# Altium PCB ROBOT_MOTHERBOARD.PcbDoc (part 1 of 2) (continued)
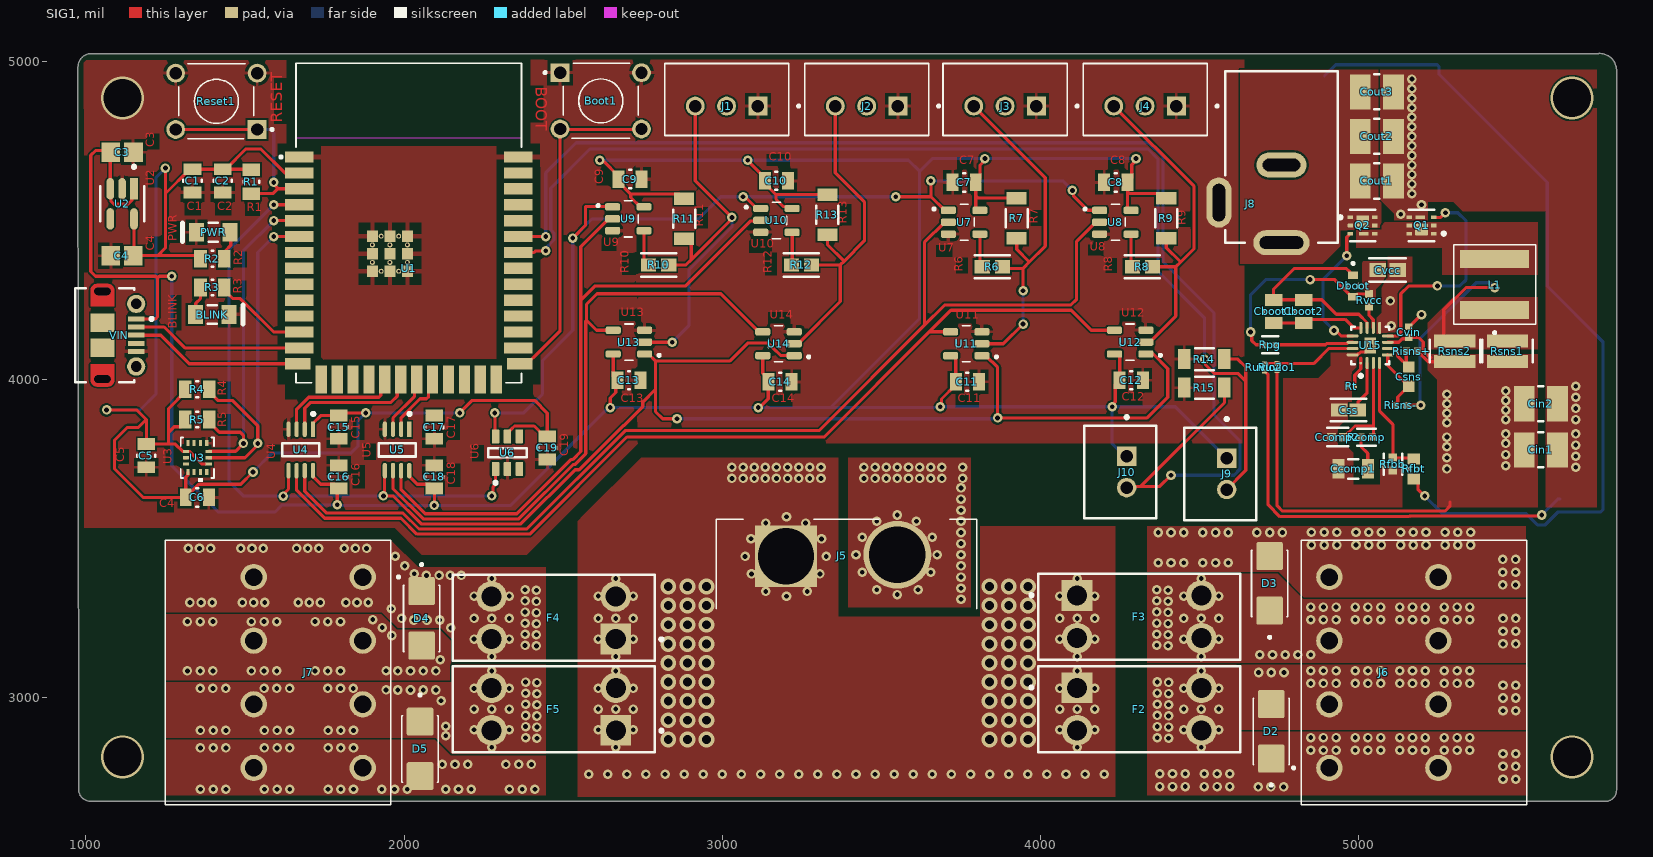
[diagram p0: SIG1 view]
## Footprints (in the part's own frame and the unit in brackets; to place one, negate y for a bottom-side part, rotate by r counter-clockwise, add the part's x,y. Pads: shape width x height; smd on the part's side, far side on the other; paste and mask are expansions set on the pad) (continued)
  SIG1 circle w0.5: c3.6,-1.8 r0.25
  SIG1 circle w0.5: c3.6,-0.9 r0.25
  SIG1 region: -3.6,-1.8 -3.6,-0.9 -4.1,-0.9 -4.1,-1.8
  SIG1 region: 3.6,-0.9 3.6,-1.8 4.1,-1.8 4.1,-0.9
  SIG1 region: 2.3,-0.4 2.3,-2.3 3.6,-2.3 3.6,-0.4
  SIG1 region: -2.3,-2.3 -2.3,-0.4 -3.6,-0.4 -3.6,-2.3
  silkscreen extent -3.75,-3.5 3.75,2.7, body extent -4.1,-3.9 4.1,1.5, height 2.67
XCVR_ESP32-S3-WROOM-1-N4R2 [mm]
  rect 2.261x0.9 smd: 1(-8.488,4.83) 2(-8.488,3.56) 3(-8.488,2.29) 4(-8.488,1.02) 5(-8.488,-0.25) 6(-8.488,-1.52) 7(-8.488,-2.79) 8(-8.488,-4.06) 9(-8.488,-5.33) 10(-8.488,-6.6) 11(-8.488,-7.87) 12(-8.488,-9.14) 13(-8.488,-10.41) 28(9.012,-10.41) 29(9.012,-9.14) 30(9.012,-7.87) 31(9.012,-6.6) 32(9.012,-5.33) 33(9.012,-4.06) 34(9.012,-2.79) 35(9.012,-1.52) 36(9.012,-0.25) 37(9.012,1.02) 38(9.012,2.29) 39(9.012,3.56) 40(9.012,4.83)
  rect 2.032x0.9 smd: 14(-8.602,-11.68) 27(9.127,-11.68)
  rect 0.9x2.261 smd: 15(-6.723,-12.93) 16(-5.453,-12.93) 17(-4.183,-12.93) 18(-2.913,-12.93) 19(-1.643,-12.93) 20(-0.373,-12.93) 21(0.897,-12.93) 22(2.167,-12.93) 23(3.437,-12.93) 24(4.707,-12.93) 25(5.977,-12.93) 26(7.247,-12.93)
  rect 0.9x0.9 smd: 41_1(-1.238,-2.89) 41_2(-2.638,-2.89) 41_3(0.162,-2.89) 41_4(-2.638,-4.29) 41_5(-1.238,-4.29) 41_6(0.162,-4.29) 41_7(-2.638,-1.49) 41_8(-1.238,-1.49) 41_9(0.162,-1.49)
  round 0.4 hole 0.2 mask+0: 41_10(-1.238,-2.19) 41_11(-2.638,-2.19) 41_12(0.162,-2.19) 41_13(-2.638,-3.59) 41_14(-1.238,-3.59) 41_15(0.162,-3.59) 41_16(-1.938,-1.49) 41_17(-0.538,-1.49) 41_20(-1.938,-4.29) 41_21(-0.538,-4.29)
  Keep-Out Layer region: 9.262,6.32 -8.738,6.32 -8.738,12.32 9.262,12.32
  Keep-Out Layer region: 9.262,6.32 -8.738,6.32 -8.738,12.32 9.262,12.32
  silkscreen extent -10.04,-13.18 9.26,12.32, body extent -8.74,-13.18 9.26,12.32, height 3.25

## Part data
BLINK PWR: library part CMP-2000-07123-1, "LED Red, 65 mW, -40 to 85 degC, 2-Pin SMD, RoHS, Tape and Reel", Color=Red, Manufacturer=Lumex, Operating Temperature=-25to85C, Package Description="2-Pin Surface Mount Device, Body 3.2 x 1.5 mm", Package Reference=SML-LX1206IC, Reverse Voltage=5(Min)V, Supplier_Package=SMD, Datasheet URL=http://www.lumex.com/content/files/ProductAttachment/SML-LX1206IC-TR.pdf, Datasheet Version="Rev. J, 08/2012", Dimension=3.2x1.6x1.1mm, Dominant Wavelength=N/A, ECCN=EAR99, Family=SML-LX1206IC, HTS=8541402000, Intensity=6mcd, LED Material=GaAsP, Lens Appearance=ColorlessNonDiffused, Lens Dimensions=2x1.6x0.5mm, Manufacturer URL=http://www.lumexinstruments.com/, Mounting=SurfaceMount, Mounting Technology=SurfaceMount, Number of LEDs=1, Packaging=TapeandReel, Part No=SML-LX1206IC-TR, Peak Wavelength=635nm, Pin_Count=2, RoHS=Unknown, Supplier=Lumex, Supplier Standard Pack=3,000, Type=Uni-Color, Viewing Angle=160
Boot1 Reset1: "Switch Push Button OFF (ON) SPST Round Button 0.05A 24VDC Momentary Contact PC Pins Thru-Hole", Package=None, Check_prices=https://www.snapeda.com/parts/1825910-6/TE+Connectivity+ALCOSWITCH+Switches/view-part/?ref=eda, Digi-Key_Part_Number=450-1650-ND, MF="TE Connectivity", MP=1825910-6, Purchase-URL=https://pricing.snapeda.com/search/part/1825910-6/?ref=eda, SnapEDA_Link=https://www.snapeda.com/parts/1825910-6/TE+Connectivity+ALCOSWITCH+Switches/view-part/?ref=snap
C1 C2 C5 C6 C7 C8 C9 C10 C11 C12 C13 C14 C15 C16 C17 C18 C19 Cboot1 Cboot2: library part CMP-2100-03606-3, "CC0805KRX7R9BB104 CAP CER 0.1UF 50V X7R 0805", Capacitance="100 nF", Manufacturer=Yageo, Manufacturer Part Number=CC0805KRX7R9BB104, Package=CC0805-0.85, Temperature="-30°C to +85°C", Temperature Characteristic=X7R, Temperature Range High=+85°C, Temperature Range Low=-30°C, Tolerance=0.1, Voltage Rating="50 V", Automotive=No, Category=Cap, ComponentLink2Description=Datasheet, ComponentLink2URL=http://www.yageo.com/documents/recent/UPY-GPHC_Y5V_6.3V-to-50V_8.pdf, Device Class L1="Passive Components", Device Class L2=Capacitors, Device Class L3="Ceramic Capacitors", Digikey Description="CAP CER 0.1UF 50V X7R 0805", Footprint Url=http://www.yageo.com/exep/pages/download/literatures/UPY-C_GEN_24.pdf, Height=0.95mm, Ipc Land Pattern Name=CAPC200125X85, Lead Free=Yes, Material=Ceramic, Mouser Description="Multilayer Ceramic Capacitors MLCC - SMD/SMT 100nF 50V X7R 10%", Octopart=https://octopart.com/cc0805krx7r9bb104-yageo-192993, RoHS=TRUE
C3 C4: library part CMP-2007-03236-1, Manufacturer=Kemet, Part Number=C0805C105K5RACTU
Ccomp1: library part CMP-08246-000542-1, "Cap Ceramic 8.2nF 50V C0G 5% Pad SMD 0805 +125°C Automotive T/R", Capacitance=8.2nF, Case Code (Imperial)=0805, Case Code (Metric)=2012, Dielectric=C0G, Max Operating Temperature=125°C, Min Operating Temperature=-55°C, Package Quantity=1, Ratings=AEC-Q200, Tolerance=5%, Voltage Rating=50V, Case/Package=0805, Composition=Ceramic, Depth=1.25mm, Height=0.6mm, Length=2mm, Mount="Surface Mount", Packaging="Tape and Reel", REACH SVHC="No SVHC", Termination=SMD/SMT, Thickness=0.028inch, Voltage Rating (DC)=50V, Weight=0.000194oz, Width=0.049inch
Ccomp2: library part CMP-2008-04006-2, "Chip Multilayer Ceramic Capacitors for General Purpose, 0402, 390pF, C0G, 30ppm/°C, 5%, 50V", Capacitance=390pF, Case Code (Imperial)=0402, Case Code (Metric)=1005, Dielectric=C0G, Max Operating Temperature=125°C, Min Operating Temperature=-55°C, Package Quantity=1, Tolerance=5%, Voltage=50V, Case/Package=0402, Depth=0.5mm, Height=0.5mm, Length=1mm, Mount="Surface Mount", Packaging="Tape and Reel", Radiation Hardening=No, Termination=SMD/SMT, Thickness=0.022inch, Voltage Rating=50V, Voltage Rating (DC)=50V, Width=0.02inch
Cin1 Cin2: library part CMP-13271-001337-1, "Cap Ceramic 10uF 50V X5R ±10% SMD 1210 +85°C Embossed T/R", Capacitance=10uF, Case Code (Imperial)=1210, Case Code (Metric)=3225, Dielectric=X5R, Max Operating Temperature=85°C, Min Operating Temperature=-55°C, Tolerance=10%, Voltage Rating=50V, Case/Package=1210, Depth=2.5mm, Lead Free="Lead Free", Length=0.126inch, Mount="Surface Mount", Packaging="Tape and Reel", Thickness=0.106inch, Voltage Rating (DC)=50V, Width=0.098inch
Cout1 Cout2 Cout3: library part CMP-13271-004028-1, "Cap Ceramic 10uF 50V X7R ±10% SMD 1210 +125°C Embossed T/R", Capacitance=10uF, Case Code (Imperial)=1210, Case Code (Metric)=3225, Dielectric=X7R, Max Operating Temperature=125°C, Min Operating Temperature=-55°C, Package Quantity=1, Tolerance=10%, Voltage Rating=50V, Case/Package=1210, Lead Free="Lead Free", Length=0.126inch, Mount="Surface Mount", Packaging="Tape and Reel", Thickness=0.106inch, Width=0.098inch
Csns: library part CMP-001-00083-1, "SMD Capacitor C0G(EIA) with Capacitance: 100pF Tol. 5%. Rated Voltage: 50Vdc", Case/Package="1608 Murata", Check_prices=https://www.snapeda.com/parts/GRM1885C1H101JA01D/Murata+Electronics+North+America/view-part/?ref=eda, Component Type=Standard, Design Item ID=GRM1885C1H101JA01D, MF="Murata Electronics", MP=GRM1885C1H101JA01D, Pins=2, SnapEDA_Link=https://www.snapeda.com/parts/GRM1885C1H101JA01D/Murata+Electronics+North+America/view-part/?ref=snap, Source=GRM1885C1H101JA01D.SchLib
Css: library part CMP-08246-004785-1, "Multilayer Ceramic Capacitors 4.7nF ±5% 25V C0G SMD 0603", Capacitance=4.7nF, Case Code (Imperial)=0603, Case Code (Metric)=1608, Dielectric=C0G, Dielectric Material=Ceramic, Max Operating Temperature=125°C, Min Operating Temperature=-55°C, Package Quantity=1, Tolerance=5%, Voltage Rating=25V, Case/Package=0603, Construction=Flat, Depth=0.8mm, Height=0.8mm, Lead Free="Lead Free", Length=1.6mm, Mount="Surface Mount", Number of Pins=2, Packaging="Tape and Reel", Radiation Hardening=No, RoHS Compliant=Yes, Series=C, Termination=SMD/SMT, Thickness=0.037inch, Voltage Rating (DC)=25V, Weight=7.1E-05oz, Width=0.031inch
Cvcc: library part CMP-2006-02814-2, "Chip Multilayer Ceramic Capacitors for General Purpose, 0603, 10uF, X5R, 15%, 20%, 16V", Capacitance=10uF, Case Code (Imperial)=0603, Case Code (Metric)=1608, Dielectric=X5R, Max Operating Temperature=85°C, Min Operating Temperature=-55°C, Package Quantity=4000, Tolerance=20%, Voltage=16V, Case/Package=0603, Depth=0.8mm, Height=0.8mm, Lead Free="Lead Free", Length=1.6mm, Mount="Surface Mount", Packaging="Tape and Reel", REACH SVHC="No SVHC", Thickness=0.031inch, Voltage Rating=16V, Voltage Rating (DC)=16V, Width=0.031inch
Cvin: library part CMP-001-00084-1, "SMD Capacitor X7R(EIA) with Capacitance: 0.10uF Tol. 10%. Rated Voltage: 16Vdc", Case/Package="1005-2 Murata", Check_prices=https://www.snapeda.com/parts/GRM155R71C104KA88D/Murata/view-part/?ref=eda, Component Type=Standard, Design Item ID=GRM155R71C104KA88D, MF=Murata, MP=GRM155R71C104KA88D, Pins=2, SnapEDA_Link=https://www.snapeda.com/parts/GRM155R71C104KA88D/Murata/view-part/?ref=snap, Source=GRM155R71C104KA88D.SchLib
D2 D3 D4 D5: library part CMP-004-00032-1, "400 W 13 V Uni-Directional SMT Transient Voltage Suppressor Diode - DO-214AA", Case/Package="DO-214 Diodes Inc.", Check_prices=https://www.snapeda.com/parts/SMBJ13A-13-F/Diodes+Inc./view-part/?ref=eda, Component Type=Standard, Design Item ID=SMBJ13A-13-F, MF="Diodes Inc.", MP=SMBJ13A-13-F, Pins=2, SnapEDA_Link=https://www.snapeda.com/parts/SMBJ13A-13-F/Diodes+Inc./view-part/?ref=snap, Source=SMBJ13A-13-F.SchLib
Dboot: library part CMP-004-00031-1, "Diode Schottky 20V 500mA Surface Mount SOD-523", Case/Package="SOD-523 Torex", Component Type=Standard, Design Item ID=XBS053V15R-G, Digi-Key_Part_Number=XBS053V15R-G-ND, Digi-Key_Purchase_URL=https://www.digikey.com/product-detail/en/torex-semiconductor-ltd/XBS053V15R-G/XBS053V15R-G-ND/2765022?utm_source=snapeda&utm_medium=aggregator&utm_campaign=symbol, MF=Torex, MP=XBS053V15R-G, Pins=2, SnapEDA_Link=https://www.snapeda.com/parts/XBS053V15R-G/Torex/view-part/808826/?ref=snap, Source=SnapEDAsch.SchLib
F2 F3 F4 F5: library part CMP-2000-05464-2, Color=Black, Current Rating=20A, Flammability Rating="UL94 V-0", Max Operating Temperature=145°C, Min Operating Temperature=-50°C, Voltage=500V, Approvals=UL, Body Material=Nylon, Contact Material=Brass, Contact Plating=Tin, Depth=6.73mm, Fuse Current=20A, Illumination Type=Illuminated, Lead Free="Lead Free", Length=16mm, Material="Brass, Nylon, Tin", Mount="PCB, Vertical", NexarPartId=8116161, Number of Circuits=1, Number of Poles=1, Orientation=Vertical, REACH SVHC="No SVHC", RoHS=Compliant, Termination="PC Pin", Voltage Rating (AC)=500V
J1 J2 J3 J4: library part CMP-002-00071-1, "Connector Header Through Hole 3 position 0.098 (2.50mm)", Case/Package=None, Check_prices=https://www.snapeda.com/parts/B3B-XH-A/JST+Sales+America+Inc./view-part/?ref=eda, Component Type=Standard, Design Item ID=B3B-XH-A, MF="JST Sales", MP=B3B-XH-A, Pins=3, SnapEDA_Link=https://www.snapeda.com/parts/B3B-XH-A/JST+Sales+America+Inc./view-part/?ref=snap, Source=B3B-XH-A.SchLib
J5: "Socket; DC supply; XT90; male; PIN: 2; on PCBs; THT; Colour: yellow", Package=Package, Check_prices=https://www.snapeda.com/parts/XT90PW-M/AMASS/view-part/?ref=eda, MF=AMASS, MP=XT90PW-M, SnapEDA_Link=https://www.snapeda.com/parts/XT90PW-M/AMASS/view-part/?ref=snap
J6 J7: library part CMP-011-000000-2, Package=None, Availability=Unavailable, Component Type=Standard, Design Item ID=1017505, MF="{'manufacturer': u'Phoenix Contact'}", MP=1017505, Pin Count=8, Price=None, Source=1017505.SchLib
J8: library part CMP-0256-00001-1, "3 Conductor Power Jack, 2 break 2 aux contacts", ComponentLink1Description="Manufacturer URL", ComponentLink1URL=http://kycon.com/, ComponentLink2Description=Datasheet, ComponentLink2URL=http://anacapa.kycon.com/Catalog_PDF/KLDX_0202.pdf, Contact Finish=Brass, Mounting Technology="Through Hole", PackageDescription="Jack, 9 x 14.5 mm Body, 2.5 mm Center Pin Diameter", PackageReference=KLDX-0202-B, PartNumber=KLDX-0202-B
J9 J10: library part CMP-2000-05888-3, "CONN HEADER VERT 2POS 2.5MM", Color=Natural, Contact Resistance=20mR, Current Rating=3A, Housing Color=White, Insulation Resistance=1GR, Max Operating Temperature=85°C, Max Voltage Rating (AC)=250V, Min Operating Temperature=-25°C, Connector Type="Male Pin", Contact Material=Brass, Contact Plating=Tin, Contact Type="Male Pin", Depth=5.75mm, Fastening Type=Detent, Housing Material=Polyamide, Lead Free="Lead Free", Lead Pitch=2.5mm, Length=7.4mm, Max Current Rating=3A, Max Voltage Rating (DC)=250V, Mount="Through Hole", Number of Contacts=2, Number of Positions=2, Number of Rows=1, Orientation=Straight, Packaging=Bulk, Pitch=2.5mm, REACH SVHC="No SVHC", Series=XH, Termination=Solder, Voltage Rating=250V, Voltage Rating (AC)=250V, Wire/Cable Gauge=22AWG
L1: library part CMP-006-00021-1, "Power inductor, shielded, 20% tol, SMT, RoHS, halogen-f", Case/Package=None, Check_prices=https://www.snapeda.com/parts/XAL6060-472MEB/Coilcraft/view-part/?ref=eda, Component Type=Standard, Design Item ID=XAL6060-472MEB, MF=Coilcraft, MP=XAL6060-472MEB, Pins=2, SnapEDA_Link=https://www.snapeda.com/parts/XAL6060-472MEB/Coilcraft/view-part/?ref=snap, Source=XAL6060-472MEB.SchLib
Q1 Q2: library part CMP-04962-000062-1, "MOSFET N-CH 30V 22A 6SON", Continuous Drain Current (ID)=22A, Drain to Source Breakdown Voltage=30V, Drain to Source Resistance=29mR, Gate to Source Voltage (Vgs)=20V, Input Capacitance=468pF, Max Operating Temperature=150°C, Max Power Dissipation=2.5W, Min Operating Temperature=-55°C, Package Quantity=3000, Contact Plating=Tin, Drain to Source Voltage (Vdss)=30V, Element Configuration=Single, Fall Time=26ns, Lead Free="Lead Free", Mount="Surface Mount", Number of Channels=1, Number of Elements=1, Number of Pins=6, Packaging="Tape and Reel", Power Dissipation=2.5W, Rds On Max=29mR, Rise Time=19ns, RoHS Compliant=Yes, Turn-Off Delay Time=8ns, Turn-On Delay Time=5.3ns
R1 R2 R3 R4 R5: library part CMP-2100-03615-2, "CRCW08054K70FKEARES Thick Film, 4.7kΩ, 1%, 0.125W, 100ppm/°C, 0805", Case Code (Imperial)=0805, Case Code (Metric)=2012, Max Operating Temperature=155°C, Max Power Dissipation=125mW, Min Operating Temperature=-55°C, Package Quantity=10, Resistance=4.7kR, Temperature Coefficient=100ppm/°C, Tolerance=1%, Voltage Rating=150V, Case/Package=0805, Composition="Thick Film", Contact Plating=Tin, Depth=1.25mm, Features="Automotive AEC-Q200", Height=0.45mm, Lead Free="Lead Free", Length=2mm, Military Standard=Not, Number of Terminations=2, Packaging="Tape and Reel", Power Rating=125mW, Radiation Hardening=No, Termination=SMD/SMT, Voltage Rating (DC)=150V, Weight=0.000194oz, Width=1.25mm
R6 R8 R10 R12: library part CMP-26527-000678-1, "47Ω ±1% 0.1W 0603 Thick Film Chip Resistor AEC-Q200 compliant RMCF0603FG47R0", Case/Package=0603, Power Rating=100mW, Resistance=47R, RoHS Compliant=Yes
R7 R9 R11 R13: library part CMP-26527-002036-1, "10kΩ ±1% 0.25W 1206 Thick Film Chip Resistor AEC-Q200 compliant RMCF1206FG10K0", Case Code (Imperial)=1206, Case Code (Metric)=3216, Max Operating Temperature=155°C, Max Power Dissipation=250mW, Min Operating Temperature=-55°C, Resistance=10kR, Resistor Type="Thick Film", Temperature Coefficient=100ppm/°C, Tolerance=1%, Case/Package=1206, Construction=Rectangular, Contact Plating=Tin, Depth=1.6mm, Features="Automotive AEC-Q200", Height=0.028inch, Length=0.126inch, Military Standard=Not, Mount="Surface Mount", Number of Terminations=2, Packaging="Tape and Reel", Radiation Hardening=No, RoHS Compliant=Yes, Series=RMCF, Width=0.063inch
R14 R15: library part CMP-26527-002036-1, "10kΩ ±1% 0.25W 1206 Thick Film Chip Resistor AEC-Q200 compliant", Case Code (Imperial)=1206, Case Code (Metric)=3216, Max Operating Temperature=155°C, Max Power Dissipation=250mW, Min Operating Temperature=-55°C, Resistance=10kR, Resistor Type="Thick Film", Temperature Coefficient=100ppm/°C, Tolerance=1%, Case/Package=1206, Construction=Rectangular, Contact Plating=Tin, Depth=1.6mm, Features="Automotive AEC-Q200", Height=0.028inch, Length=0.126inch, Military Standard=Not, Mount="Surface Mount", Number of Terminations=2, Packaging="Tape and Reel", Radiation Hardening=No, RoHS Compliant=Yes, Series=RMCF, Width=0.063inch
Rcomp: library part CMP-1011-00593-3, "RES Thick Film, 5.36kΩ, 1%, 0.063W, 100ppm/°C, 0402", Case Code (Imperial)=0402, Case Code (Metric)=1005, Max Operating Temperature=155°C, Max Power Dissipation=63mW, Min Operating Temperature=-55°C, Package Quantity=10, Resistance=5.36kR, Resistance Tolerance=1%, Resistor Type="Thick Film", Temperature Coefficient=100ppm/°C, Voltage Rating=50V, Case/Package=0402, Construction=Rectangular, Contact Plating=Tin, Depth=0.5mm, Features="Automotive AEC-Q200", Height=0.016inch, Lead Free="Lead Free", Length=1mm, Military Standard=Not, Number of Pins=2, Number of Terminations=2, Packaging="Tape and Reel", Power Rating=63mW, Radiation Hardening=No, RoHS Compliant=Yes, Series=CRCW, Tolerance=1%, Voltage Rating (DC)=50V, Weight=2.3E-05oz, Width=0.5mm
Rfbb: library part CMP-2002-08157-2, "RES Thick Film, 11kΩ, 1%, 0.063W, 100ppm/°C, 0402", Case Code (Imperial)=0402, Case Code (Metric)=1005, Max Operating Temperature=155°C, Max Power Dissipation=63mW, Min Operating Temperature=-55°C, Package Quantity=10, Resistance=11kR, Temperature Coefficient=100ppm/°C, Tolerance=1%, Voltage Rating=50V, Case/Package=0402, Composition="Thick Film", Contact Plating=Tin, Depth=0.5mm, Features="Automotive AEC-Q200", Height=0.35mm, Lead Free="Lead Free", Length=1mm, Military Standard=Not, Number of Pins=2, Number of Terminations=2, Packaging="Tape and Reel", Power Rating=63mW, Radiation Hardening=No, Termination=SMD/SMT, Voltage Rating (DC)=50V, Weight=2.3E-05oz, Width=0.02inch
Rfbt: library part CMP-1012-00757-1, "160K 0.1W 1% 0603 (1608 Metric)  SMD", Case-EIA=0603, Case-Metric=1608, Power="0.1 W", Tolerance="1 %", Technology=SMT
Risns+ Risns-: library part CMP-2002-08143-1, Manufacturer="Vishay Dale", Part Number=CRCW040210R0FKED
Rpg: library part CMP-2002-08123-3, "RES Thick Film, 100kΩ, 1%, 0.063W, 100ppm/°C, 0402", Case Code (Imperial)=0402, Case Code (Metric)=1005, Max Operating Temperature=155°C, Max Power Dissipation=63mW, Min Operating Temperature=-55°C, Package Quantity=10000, Resistance=100kR, Temperature Coefficient=100ppm/°C, Tolerance=1%, Voltage Rating=50V, Case/Package=0402, Composition="Thick Film", Contact Plating=Tin, Depth=0.5mm, Features="Automotive AEC-Q200", Height=0.35mm, Lead Free="Lead Free", Length=1mm, Military Standard=Not, Mount="Surface Mount", Number of Pins=2, Number of Terminations=2, Packaging="Tape and Reel", Power Rating=63mW, Radiation Hardening=No, Termination=SMD/SMT, Voltage Rating (DC)=50V, Weight=2.3E-05oz, Width=0.02inch
Rsns1 Rsns2: library part CMP-2003-04764-2, "10 mOhms ±1% 1W Chip Resistor Wide 0612 (1632 Metric), Current Sense Thin Film", Case Code (Imperial)=1206, Case Code (Metric)=3216, Max Operating Temperature=125°C, Max Power Dissipation=1W, Min Operating Temperature=-55°C, Package Quantity=1000, Resistance=10mR, Resistor Type="Thin Film", Temperature Coefficient=200ppm/°C, Tolerance=1%, Case/Package=1206, Height=0.5mm, Lead Free="Lead Free", Length=3.2mm, Number of Terminations=2, Packaging="Cut Tape", Power Rating=1W, RoHS Compliant=Yes, Technology="THIN FILM", Termination=SMD/SMT, Weight=0.000466oz, Width=1.6mm
Rt: library part CMP-009-00177-1, "105 kOhms Â±1% 0.05W, 1/20W Chip Resistor 0201 (0603 Metric) Moisture Resistant Thick Film", Case/Package="SMD-2 Yageo", Check_prices=https://www.snapeda.com/parts/RC0201FR-07105KL/Yageo/view-part/?ref=eda, Component Type=Standard, Design Item ID=RC0201FR-07105KL, MF=Yageo, MP=RC0201FR-07105KL, Pins=2, SnapEDA_Link=https://www.snapeda.com/parts/RC0201FR-07105KL/Yageo/view-part/?ref=snap, Source=RC0201FR-07105KL.SchLib
Ruvlo1: library part CMP-009-00179-1, "162 kOhms Â±1% 0.05W, 1/20W Chip Resistor 0201 (0603 Metric) Moisture Resistant Thick Film", Case/Package="0603 Rohm Semiconductor", Check_prices=https://www.snapeda.com/parts/RC0201FR-07162KL/Yageo/view-part/?ref=eda, Component Type=Standard, Design Item ID=RC0201FR-07162KL, MF=Yageo, MP=RC0201FR-07162KL, Pins=2, SnapEDA_Link=https://www.snapeda.com/parts/RC0201FR-07162KL/Yageo/view-part/?ref=snap, Source=RC0201FR-07162KL.SchLib
Ruvlo2: library part CMP-009-00178-1, "23.7 kOhms Â±1% 0.05W, 1/20W Chip Resistor 0201 (0603 Metric) Moisture Resistant Thick Film", Case/Package="0603 Rohm Semiconductor", Check_prices=https://www.snapeda.com/parts/RC0201FR-0723K7L/Yageo/view-part/?ref=eda, Component Type=Standard, Design Item ID=RC0201FR-0723K7L, MF=Yageo, MP=RC0201FR-0723K7L, Pins=2, SnapEDA_Link=https://www.snapeda.com/parts/RC0201FR-0723K7L/Yageo/view-part/?ref=snap, Source=RC0201FR-0723K7L.SchLib
Rvcc: library part CMP-2002-08486-1, Manufacturer="Vishay Dale", Part Number=CRCW04022R00FKED
U1: "Bluetooth, WiFi 802.11b/g/n, Bluetooth v5.0 Transceiver Module 2.4GHz PCB Trace Surface Mount", Package=None, Availability="In Stock", Check_prices=https://www.snapeda.com/parts/ESP32-S3-WROOM-1-N4R2/Espressif+Systems/view-part/?ref=eda, MF="Espressif Systems", MP=ESP32-S3-WROOM-1-N4R2, Price=None, Purchase-URL=https://pricing.snapeda.com/search/part/ESP32-S3-WROOM-1-N4R2/?ref=eda, SnapEDA_Link=https://www.snapeda.com/parts/ESP32-S3-WROOM-1-N4R2/Espressif+Systems/view-part/?ref=snap
U2: library part CMP-12756-000035-1, "IC REG LINEAR 3.3V 600MA SOT25", Case/Package=SOT-23-5, Dropout Voltage=250mV, Max Input Voltage=6V, Max Operating Temperature=85°C, Max Output Current=600mA, Min Input Voltage=2.5V, Min Operating Temperature=-40°C, Output Voltage=3.3V, Package Quantity=1, Quiescent Current=55uA, Accuracy=1.5%, Height=1.3mm, Lead Free="Lead Free", Length=3.1mm, Mount="Surface Mount", Number of Outputs=1, Number of Pins=5, Number of Regulators=1, Output Current=600mA, Output Type=Fixed, Packaging="Tape and Reel", Polarity=Positive, Width=1.7mm
U3: "No Description Available", Manufacturer_Name="Bosch Sensortec", Copyright="Copyright (C) 2025 Ultra Librarian. All rights reserved.", Manufacturer_Part_Number=BMI323, RefDes=RefDes, Type=Type
U4 U5: library part CMP-0000-1, "2-Bit Dual Supply Transceiver with Configurable Voltage-Level Shifting and 3-State Outputs 8-SSOP -40 to 85", Ambient Temperature Range High=85°C, Case/Package=SSOP, High Level Output Current=-32mA, Low Level Output Current=32mA, Manufacturer Lifecycle Status=ACTIVE, Max Junction Temperature (Tj)=150°C, Max Supply Voltage=5.5V, Min Operating Temperature=-40°C, Min Supply Voltage=1.65V, Output Current=50mA, Quiescent Current=3µA, Contact Plating=Gold, Data Rate=420Mbps, Direction=Bidirectional, Height=1.3mm, Lead Free="Lead Free", Length=2.95mm, Lifecycle Status=Production, Logic Function="Transceiver, Translator", Max Operating Temperature=85°C, Number of Bits=2, Number of Channels=2, Number of Circuits=1, Number of Elements=1, Number of Inputs=1, Number of Outputs=1, Packaging="Cut Tape", Pins=8, Polarity=Non-Inverting, Propagation Delay=45.2ns, Radiation Hardening=No, REACH SVHC=No, RoHS=Compliant, Schedule B="8542390000, 8542390000", Thickness=1.29mm, Turn-On Delay Time=17.7ns, Weight=23.388357mg, Width=2.8mm
U6: library part CMP-04903-000086-1, "IC INVERTER 2CH 2-INP SOT23-6", Case/Package=SOT-23-6, High Level Output Current=-32mA, Low Level Output Current=32mA, Max Operating Temperature=125°C, Max Supply Voltage=5.5V, Min Operating Temperature=-40°C, Min Supply Voltage=1.65V, Operating Supply Voltage=5V, Package Quantity=3000, Quiescent Current=10uA, Lead Free="Lead Free", Logic Function=Inverter, Mount="Surface Mount", Number of Bits=2, Number of Circuits=2, Number of Elements=2, Number of Gates=2, Number of Inputs=2, Number of Pins=6, Packaging="Tape and Reel", Propagation Delay=3.7ns, Radiation Hardening=No, RoHS Compliant=Yes, Series=74LVC, Technology=CMOS, Turn-On Delay Time=8ns, Weight=0.000557oz
U7 U8 U9 U10 U11 U12 U13 U14: library part CMP-009-000000-3, "Single 4.5-V to 5.5-V buffer with TTL-compatible CMOS inputs and 3-state outputs", Package="SOT-23-5 Texas Instruments", Check_prices=https://www.snapeda.com/parts/SN74AHCT1G125DBVT/Texas+Instruments/view-part/?ref=eda, Component Type=Standard, Design Item ID=SN74AHCT1G125DBVT, MF="Texas Instruments", MP=SN74AHCT1G125DBVT, Pin Count=5, SnapEDA_Link=https://www.snapeda.com/parts/SN74AHCT1G125DBVT/Texas+Instruments/view-part/?ref=snap, Source=SN74AHCT1G125DBVT.SchLib
U15: library part CMP-04918-000522-1, "IC REG CTRLR BOOST 16WQFN", Max Frequency=1MHz, Max Operating Temperature=150°C, Min Operating Temperature=-40°C, Operating Supply Voltage=7.5V, Output Current=2A, Output Voltage=58V, Package Quantity=3000, Quiescent Current=600uA, Clock Sync=No, Contact Plating=Gold, Duty Cycle=95%, Lead Free="Lead Free", Max Duty Cycle=50%, Mount="Surface Mount", Number of Output Phases=1, Number of Outputs=1, Number of Pins=16, Output Configuration=Positive, Packaging="Tape and Reel", Radiation Hardening=No, RoHS Compliant=Yes, Switching Frequency=1MHz, Synchronous Rectifier=Yes, Topology=Boost
VIN: library part CMP-2000-05827-1, "Micro-USB B Receptacle, Right Angle, Bottom Mount, Surface Mount, with Solder Tabs, -30 to 85 degC, 5-Pin USB, RoHS, Tape and Reel", Manufacturer=Molex, Package Description="5-Leads USB, Micro B, Body 7.5 x 5 mm, Pitch 0.65 mm", Package Reference=MICRO-B, Package Version="Rev. F, 12/2012", Standard Package=1, Voltage - Max=30V, 3D Model=105017-0001.stp, Catalog Drawings=1050170001, Category=Connectors,Interconnects, Circuits=5, Connector Type=USB-microB, Datasheet URL=http://www.molex.com/elqNow/elqRedir.htm?ref=http://www.molex.com/webdocs/datasheets/pdf/en-us/1050170001_IO_CONNECTORS.pdf, Datasheet Version=03/2016, Family=USB,DVI,HDMIConnectors, Featured Product=Micro-USBConnectorsUSBConnectors, Features=Shielded,SolderRetention, Gender=Receptacle, Ingress Protection=-, Manufacturer URL=http://www.molex.com/, Mating Products=WM17145-ND-CABLEMICROUSBBTOSTDA1.0MWM17147-ND-CABLEMICROUSBBTOSTDA2.0MWM17146-ND-CABLEMICROUSBBTOSTDA1.5M, Mounting Technology=SurfaceMount, Mounting Type=BoardCutout,SurfaceMount,RightAngle, Number of Contacts=5, Online Catalog=Molex-MicroUSB, Other Names=WM1399DKR, Package URL=http://www.molex.com/pdm_docs/sd/1050170001_sd.pdf, Packaging=Digi-Reel®, PCN Assembly/Origin=ResinSupplier21/Oct/2015, RoHS Information=1050170001CertofCompliance, Series=-, Specifications=-

## Via types
v1: diameter 30, hole 15, SIG1 to SIG2, 594 vias
v2: diameter 50, hole 28, SIG1 to SIG2, 54 vias
v3: diameter 135, hole 120, SIG1 to SIG2, 4 vias

## Nets (pads, with @x,y where several pads share a name; then routed paths per layer and width w, separated by ;. In a path a pad name is that pad's centre, name@x,y a point inside that pad or via, vN(x,y) a via of type N, cw(c..) or ccw(c..) an arc to the next point about the centre after c; other vN are vias at no path point)
3V3: C1.1 C2.1 C4.2 C5.1 C6.2 C15.1 C17.1 C19.1 R1.1 R2.1 R4.1 R5.1 U1.2 U2.5 U3.5 U3.8 U3.12 U4.1 U5.1 U6.5 | length 5132.8
  SIG1 w10: v1(1065,3905) 1160,3905 1190,3875 ; U2.5@1151.14,4505.47 1151.14,4392.4 C4.2@1148.74,4390 1225.42,4390 ; v1(1250,4665) 1250,4585.28 ; 1303.75,3775 1280.92,3797.83 1260,3797.83 ; R5.1@1312.56,3875 1312.56,3867.09 1297.75,3852.28 1277.28,3852.28 1260,3835 ; R4.1@1312.56,3970 1312.56,3962.09 1260,3909.53 1260,3835 ; U3.5@1314,3774.68 1325.32,3774.68 1365,3735 1375,3735 ; U3.8@1320.47,3709.5 1320.16,3709.19 1320.16,3699.69 1313.58,3693.11 C6.2@1313.58,3630 ; R2.1@1360.13,4380 1350.13,4390 1225.42,4390 ; R1.1@1520,4659.87 1518.45,4661.42 C2.1@1438.86,4661.42 ; v1(1525,3710) 1486.34,3671.34 1354.92,3671.34 C6.2@1313.58,3630 ; U1.2@1670,4650 1625,4650 1550,4725 1502.44,4725 C2.1@1438.86,4661.42 ; U4.1@1713.39,3844.37 1713.39,3862.45 1738.17,3887.23 C15.1@1794.68,3887.23 1803.27,3895.81 v1(1879.68,3895.81) ; C17.1@2094.68,3887.23 2103.54,3887.23 C17.1@2117.24,3900.93 ; v1(2174.68,3895.81) 2213.87,3935 2410,3935 2450,3895 2450,3822.55 C19.1@2449.68,3822.23 2440.83,3822.23 2408.5,3854.55 2346.93,3854.55 2338.27,3845.89 2338.27,3845.42 2324.68,3831.84 U6.5@2324.68,3821.99 ; 1190,3875 C5.1@1190,3797.83 1260,3797.83 ; 1190,3875 1165,3850 1130,3850 1089.87,3809.87 1089.87,3720.13 1180,3630 C6.2@1313.58,3630 ; 1225.42,4390 1250,4414.58 1250,4585.28 ; 1250,4585.28 1326.14,4661.42 C1.1@1335,4661.42 C2.1@1430,4661.42 C2.1@1438.86,4661.42 ; 1260,3797.83 1260,3835
  SIG2 w10: v1(1065,3905) 1170,3905 1220,3955 1220,4635 v1(1250,4665) ; v1(1525,3710) 1585,3770 1834.14,3770 1855,3790.86 1855,3871.13 v1(1879.68,3895.81) v1(2174.68,3895.81)
5V-RX1: U4.6 U11.4 U12.4 | length 3072.4
  SIG1 w10: U4.6@1662.2,3714.42 1662.2,3652.8 1750,3565 1990.01,3565 2040.01,3515 2394.99,3515 2699.99,3820 3320,3820 3650.59,4150.59 ; U11.4@3717.09,4150.59 3650.59,4150.59 ; U12.4@4232.09,4155.59 4159.41,4155.59 4096.72,4218.28 3718.28,4218.28 3650.59,4150.59
5V-RX2: U5.6 U13.4 U14.4 | length 1971
  SIG1 w10: U5.6@1965,3714.4 1965,3657.49 2059.78,3562.72 2360.22,3562.72 2530.7,3733.19 2536.11,3733.19 2570.91,3767.99 2570.91,4184.72 2573.1,4186.9 ; U13.4@2657.09,4155.59 2604.41,4155.59 2573.1,4186.9 ; U14.4@3127.09,4150.59 3114.88,4150.59 2995.47,4270 2606.19,4270 2573.1,4236.9 2573.1,4186.9
5V-TX1: U4.7 U7.2 U8.2 | length 3479.7
  SIG1 w10: U4.7@1687.8,3714.42 1687.8,3649.7 1756.59,3580.91 1996.6,3580.91 2046.6,3530.91 2385.91,3530.91 2695,3840 3303.81,3840 3635,4171.19 ; U7.2@3710.59,4495 3698.39,4495 3635,4431.61 3635,4171.19 ; U8.2@4185.59,4495 4173.39,4495 4113.21,4434.82 4113.21,4253.21 4095,4235 3698.81,4235 3635,4171.19
5V-TX2: U5.7 U9.2 U10.2 | length 2186.2
  SIG1 w10: U5.7@1990.59,3714.4 1990.59,3654.4 2066.37,3578.62 2353.63,3578.62 2524.11,3749.09 2529.52,3749.09 2555,3774.58 2555,4250 ; U9.2@2655,4505.75 2642.8,4505.75 2555,4417.95 2555,4250 ; U10.2@3120.59,4500.75 3118.89,4499.05 3089.05,4499.05 2885,4295 2600,4295 2555,4250
11V1+: Cin1.1 Cin2.1 Cvin.2 F2.1 F3.1 F4.1 F5.1 J5.P Risns+.1 Rsns1.1 Rsns2.1 Ruvlo1.2 U15.7 | length 1300
  SIG1 w10: Ruvlo1.2@4743.46,4028.66 4743.46,3603.43 4759.24,3587.65 5271.43,3587.65 5287.17,3603.39 5287.17,3614.72 ; U15.7@5091.15,4117.71 5125.99,4117.71 5137.25,4128.97 5153.42,4128.97 Cvin.2@5157.17,4132.72 5188.32,4132.72 5202.6,4118.43 5202.6,4089.29 5222.17,4069.72 5227.17,4069.72 ; Risns+.1@5184.88,4089.72 5218.06,4056.54 5291.47,4056.54 Rsns2.1@5292.17,4057.24
  other v1: 2580,2760 2640,2760 2700,2760 2760,2760 2820,2760 2880,2760 2940,2760 3000,2760 3060,2760 3120,2760 3180,2760 3240,2760 3300,2760 3360,2760 3420,2760 3480,2760 3540,2760 3600,2760 3660,2760 3720,2760 3780,2760 3840,2760 3900,2760 3960,2760 4020,2760 4080,2760 4140,2760 4200,2760 2665,2845 4115,2845 2610,2900 2720,2900 4060,2900 4170,2900 2610,2965 2665,2965 2720,2965 4060,2965 4115,2965 4170,2965 2610,3030 2720,3030 4060,3030 4170,3030 2665,3085 4115,3085 2665,3130 4115,3130 2610,3185 2720,3185 4060,3185 4170,3185 2610,3250 2665,3250 2720,3250 4060,3250 4115,3250 4170,3250 2610,3320 2720,3320 3201.61,3319.68 4060,3320 4170,3320 3136.61,3334.68 3266.61,3334.68 2665,3375 4115,3375 3091.61,3389.68 3306.61,3389.68 3071.61,3444.68 3326.61,3444.68 3090,3500 3311.61,3499.68 3136.61,3549.68 3261.61,3549.68 3201.61,3569.68 3030,3690 3065,3690 3100,3690 3135,3690 3170,3690 3205,3690 3240,3690 3275,3690 3310,3690 5277.17,3719.72 3030,3725 3065,3725 3100,3725 3135,3725 3170,3725 3205,3725 3240,3725 3275,3725 3310,3725 5462.17,3729.72 5277.17,3754.72 5462.17,3764.72 5277.17,3789.72 5462.17,3799.72 5277.17,3819.72 5462.17,3829.72 5277.17,3864.72 5462.17,3874.72 5277.17,3894.72 5462.17,3904.72 5277.17,3924.72 5462.17,3934.72 5277.17,3954.72 5462.17,3964.72
  other v2: 2830,2870 2890,2870 2950,2870 3840,2870 3900,2870 3960,2870 2830,2930 2890,2930 2950,2930 3840,2930 3900,2930 3960,2930 2830,2990 2890,2990 2950,2990 3840,2990 3900,2990 3960,2990 2830,3050 2890,3050 2950,3050 3840,3050 3900,3050 3960,3050 2830,3110 2890,3110 2950,3110 3840,3110 3900,3110 3960,3110 2830,3170 2890,3170 2950,3170 3840,3170 3900,3170 3960,3170 2830,3230 2890,3230 2950,3230 3840,3230 3900,3230 3960,3230 2830,3290 2890,3290 2950,3290 3840,3290 3900,3290 3960,3290 2830,3350 2890,3350 2950,3350 3840,3350 3900,3350 3960,3350